# KiCad board MQ Breakout.kicad_pcb
title: Ozone sensor MQ131 breakout; date: 2021-09-13; rev: v1.1.1.; company: SOLDERED; note: 333110
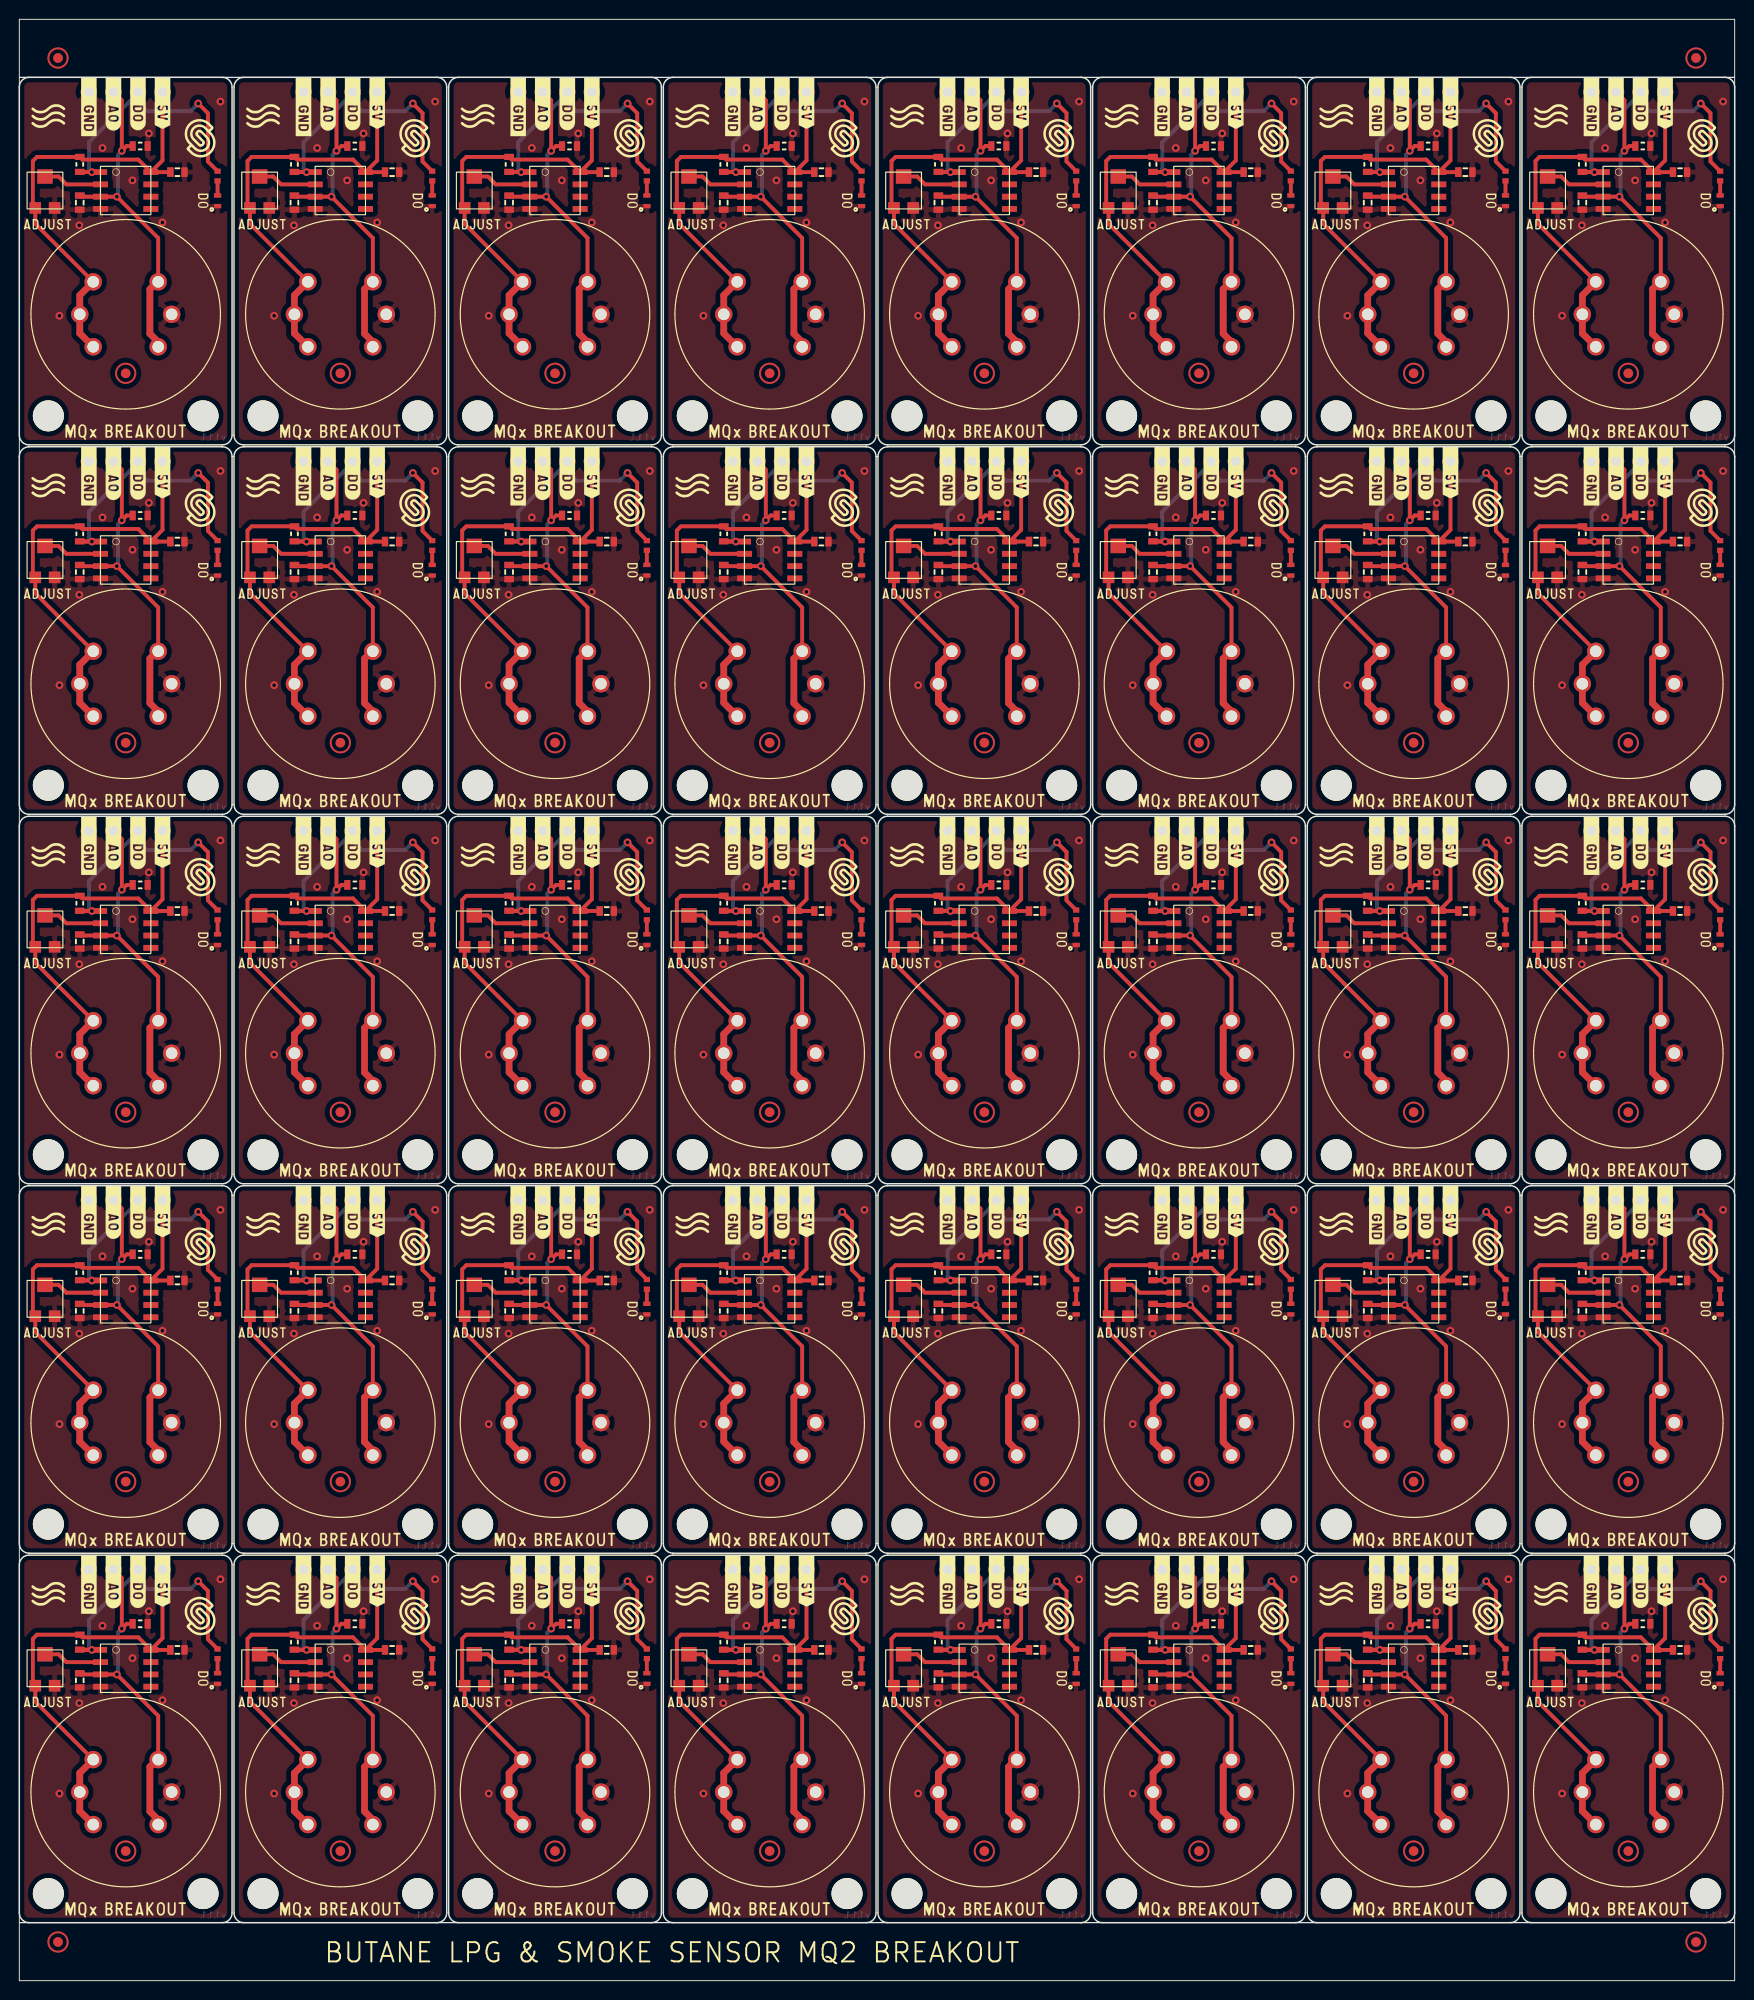
[diagram p0: board, top side]
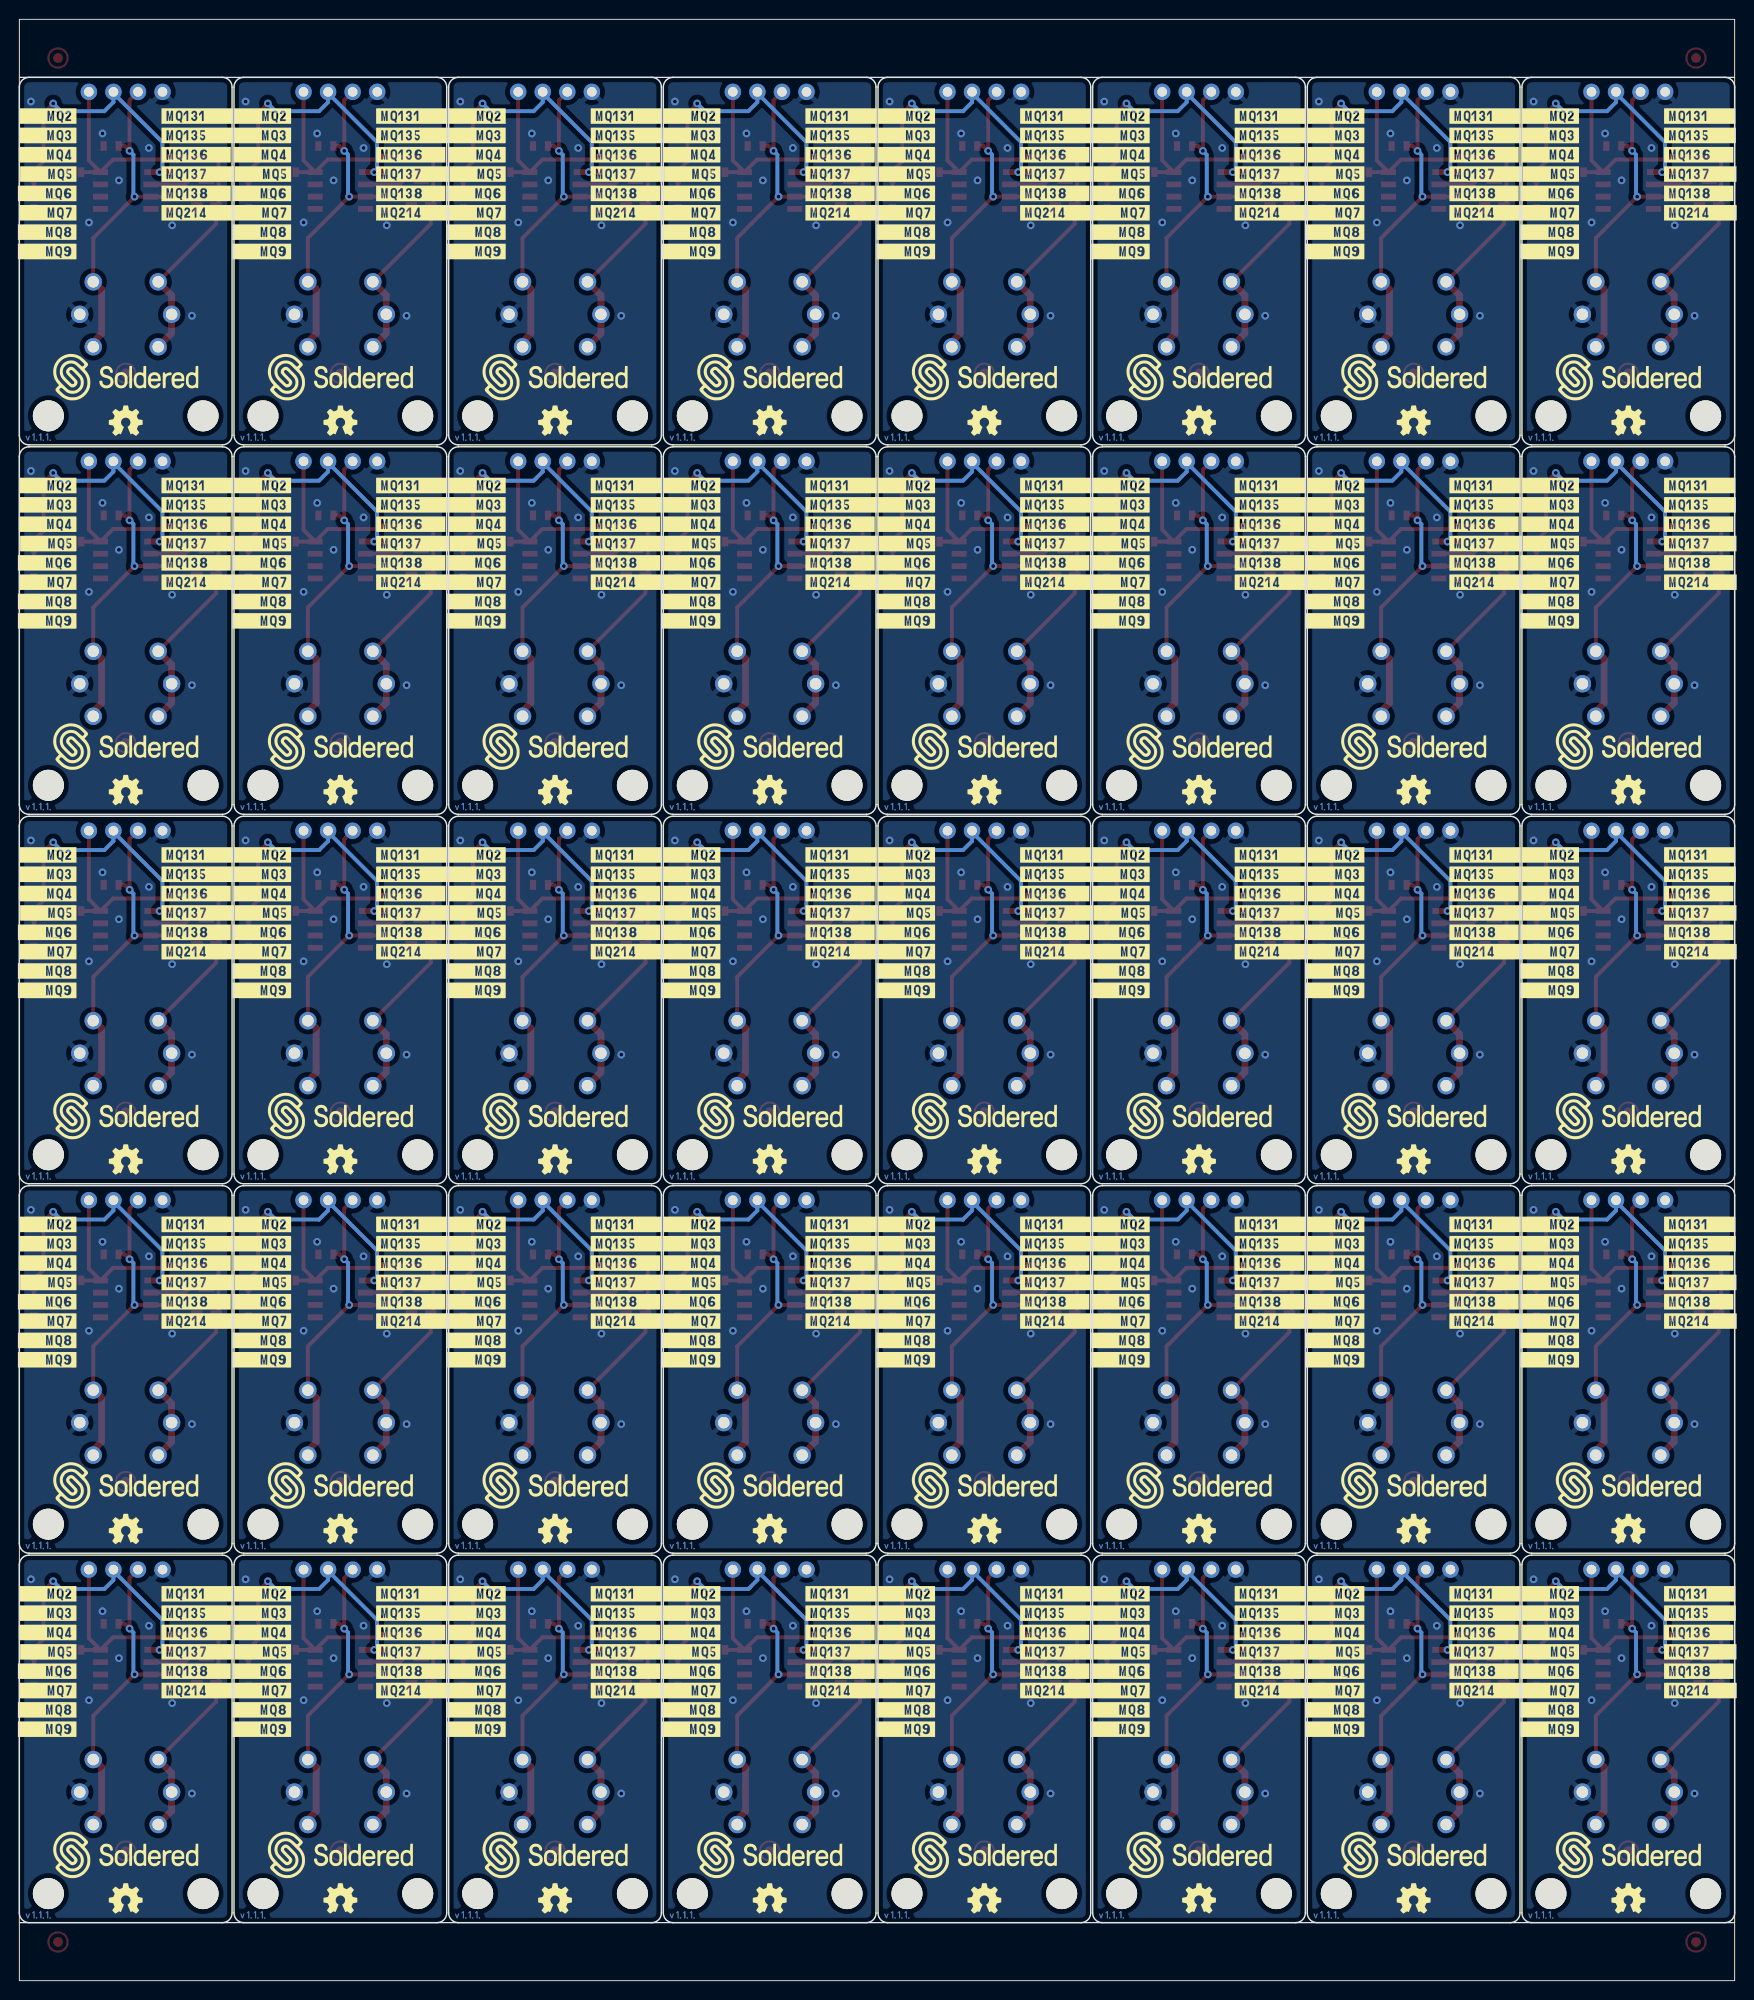
[diagram p1: board, bottom side, seen from below]

Outline 177.4 x 202.8 mm; copper layers: Top, Bottom. Coordinates in mm from the lower left corner of the outline.
Stack: Top 0.035mm / dielectric 1.51mm FR4 er 4.5 / Bottom 0.035mm

## Placement (name value [footprint] x y rotation side)
C1  0.1uF  [0603C]  95.05 107.45 90 top
C1#2  0.1uF  [0603C]  28.45 31.05 90 top
C1#3  0.1uF  [0603C]  161.65 145.65 90 top
C1#4  0.1uF  [0603C]  28.45 107.45 90 top
C1#5  0.1uF  [0603C]  72.85 107.45 90 top
C1#6  0.1uF  [0603C]  161.65 31.05 90 top
C1#7  0.1uF  [0603C]  117.25 69.25 90 top
C1#8  0.1uF  [0603C]  6.25 107.45 90 top
C1#9  0.1uF  [0603C]  50.65 69.25 90 top
C1#10  0.1uF  [0603C]  117.25 31.05 90 top
C1#11  0.1uF  [0603C]  6.25 145.65 90 top
C1#12  0.1uF  [0603C]  6.25 69.25 90 top
C1#13  0.1uF  [0603C]  139.45 107.45 90 top
C1#14  0.1uF  [0603C]  139.45 69.25 90 top
C1#15  0.1uF  [0603C]  139.45 145.65 90 top
C1#16  0.1uF  [0603C]  95.05 183.85 90 top
C1#17  0.1uF  [0603C]  117.25 145.65 90 top
C1#18  0.1uF  [0603C]  139.45 183.85 90 top
C1#19  0.1uF  [0603C]  161.65 69.25 90 top
C1#20  0.1uF  [0603C]  95.05 31.05 90 top
C1#21  0.1uF  [0603C]  6.25 31.05 90 top
C1#22  0.1uF  [0603C]  50.65 31.05 90 top
C1#23  0.1uF  [0603C]  6.25 183.85 90 top
C1#24  0.1uF  [0603C]  72.85 183.85 90 top
C1#25  0.1uF  [0603C]  50.65 107.45 90 top
C1#26  0.1uF  [0603C]  161.65 183.85 90 top
C1#27  0.1uF  [0603C]  72.85 31.05 90 top
C1#28  0.1uF  [0603C]  50.65 183.85 90 top
C1#29  0.1uF  [0603C]  28.45 69.25 90 top
C1#30  0.1uF  [0603C]  28.45 145.65 90 top
C1#31  0.1uF  [0603C]  139.45 31.05 90 top
C1#32  0.1uF  [0603C]  72.85 145.65 90 top
C1#33  0.1uF  [0603C]  95.05 145.65 90 top
C1#34  0.1uF  [0603C]  28.45 183.85 90 top
C1#35  0.1uF  [0603C]  72.85 69.25 90 top
C1#36  0.1uF  [0603C]  50.65 145.65 90 top
C1#37  0.1uF  [0603C]  117.25 107.45 90 top
C1#38  0.1uF  [0603C]  161.65 107.45 90 top
C1#39  0.1uF  [0603C]  95.05 69.25 90 top
C1#40  0.1uF  [0603C]  117.25 183.85 90 top
C2  0.1uF  [0603C]  105.15 187 180 top
C2#2  0.1uF  [0603C]  171.75 72.4 180 top
C2#3  0.1uF  [0603C]  38.55 34.2 180 top
C2#4  0.1uF  [0603C]  16.35 148.8 180 top
C2#5  0.1uF  [0603C]  60.75 72.4 180 top
C2#6  0.1uF  [0603C]  105.15 34.2 180 top
C2#7  0.1uF  [0603C]  149.55 187 180 top
C2#8  0.1uF  [0603C]  105.15 72.4 180 top
C2#9  0.1uF  [0603C]  82.95 110.6 180 top
C2#10  0.1uF  [0603C]  60.75 187 180 top
C2#11  0.1uF  [0603C]  127.35 187 180 top
C2#12  0.1uF  [0603C]  16.35 72.4 180 top
C2#13  0.1uF  [0603C]  82.95 148.8 180 top
C2#14  0.1uF  [0603C]  82.95 34.2 180 top
C2#15  0.1uF  [0603C]  105.15 148.8 180 top
C2#16  0.1uF  [0603C]  38.55 148.8 180 top
C2#17  0.1uF  [0603C]  60.75 148.8 180 top
C2#18  0.1uF  [0603C]  127.35 72.4 180 top
C2#19  0.1uF  [0603C]  38.55 187 180 top
C2#20  0.1uF  [0603C]  171.75 34.2 180 top
C2#21  0.1uF  [0603C]  16.35 187 180 top
C2#22  0.1uF  [0603C]  38.55 72.4 180 top
C2#23  0.1uF  [0603C]  16.35 110.6 180 top
C2#24  0.1uF  [0603C]  171.75 187 180 top
C2#25  0.1uF  [0603C]  105.15 110.6 180 top
C2#26  0.1uF  [0603C]  127.35 34.2 180 top
C2#27  0.1uF  [0603C]  60.75 34.2 180 top
C2#28  0.1uF  [0603C]  149.55 148.8 180 top
C2#29  0.1uF  [0603C]  16.35 34.2 180 top
C2#30  0.1uF  [0603C]  82.95 187 180 top
C2#31  0.1uF  [0603C]  127.35 148.8 180 top
C2#32  0.1uF  [0603C]  171.75 110.6 180 top
C2#33  0.1uF  [0603C]  127.35 110.6 180 top
C2#34  0.1uF  [0603C]  149.55 110.6 180 top
C2#35  0.1uF  [0603C]  171.75 148.8 180 top
C2#36  0.1uF  [0603C]  149.55 34.2 180 top
C2#37  0.1uF  [0603C]  82.95 72.4 180 top
C2#38  0.1uF  [0603C]  60.75 110.6 180 top
C2#39  0.1uF  [0603C]  38.55 110.6 180 top
C2#40  0.1uF  [0603C]  149.55 72.4 180 top
D1  purple  [0402LED]  64.9 31.24 270 top
D1#2  purple  [0402LED]  20.5 107.64 270 top
D1#3  purple  [0402LED]  20.5 31.24 270 top
D1#4  purple  [0402LED]  42.7 184.04 270 top
D1#5  purple  [0402LED]  131.5 145.84 270 top
D1#6  purple  [0402LED]  175.9 184.04 270 top
D1#7  purple  [0402LED]  87.1 184.04 270 top
D1#8  purple  [0402LED]  42.7 69.44 270 top
D1#9  purple  [0402LED]  175.9 145.84 270 top
D1#10  purple  [0402LED]  109.3 31.24 270 top
D1#11  purple  [0402LED]  20.5 145.84 270 top
D1#12  purple  [0402LED]  153.7 31.24 270 top
D1#13  purple  [0402LED]  42.7 31.24 270 top
D1#14  purple  [0402LED]  109.3 184.04 270 top
D1#15  purple  [0402LED]  87.1 145.84 270 top
D1#16  purple  [0402LED]  175.9 31.24 270 top
D1#17  purple  [0402LED]  131.5 184.04 270 top
D1#18  purple  [0402LED]  131.5 107.64 270 top
D1#19  purple  [0402LED]  131.5 31.24 270 top
D1#20  purple  [0402LED]  87.1 69.44 270 top
D1#21  purple  [0402LED]  20.5 69.44 270 top
D1#22  purple  [0402LED]  64.9 69.44 270 top
D1#23  purple  [0402LED]  153.7 145.84 270 top
D1#24  purple  [0402LED]  175.9 107.64 270 top
D1#25  purple  [0402LED]  153.7 107.64 270 top
D1#26  purple  [0402LED]  109.3 69.44 270 top
D1#27  purple  [0402LED]  64.9 145.84 270 top
D1#28  purple  [0402LED]  153.7 69.44 270 top
D1#29  purple  [0402LED]  64.9 107.64 270 top
D1#30  purple  [0402LED]  175.9 69.44 270 top
D1#31  purple  [0402LED]  109.3 107.64 270 top
D1#32  purple  [0402LED]  131.5 69.44 270 top
D1#33  purple  [0402LED]  20.5 184.04 270 top
D1#34  purple  [0402LED]  42.7 145.84 270 top
D1#35  purple  [0402LED]  64.9 184.04 270 top
D1#36  purple  [0402LED]  153.7 184.04 270 top
D1#37  purple  [0402LED]  87.1 107.64 270 top
D1#38  purple  [0402LED]  87.1 31.24 270 top
D1#39  purple  [0402LED]  42.7 107.64 270 top
D1#40  purple  [0402LED]  109.3 145.84 270 top
FD1  FIDUCIAL  [FIDUCIAL_23]  99.8 51.6 0 top
FD1#2  FIDUCIAL  [FIDUCIAL_23]  77.6 51.6 0 top
FD1#3  FIDUCIAL  [FIDUCIAL_23]  99.8 128 0 top
FD1#4  FIDUCIAL  [FIDUCIAL_23]  173.4 4 0 top
FD1#5  FIDUCIAL  [FIDUCIAL_23]  55.4 51.6 0 top
FD1#6  FIDUCIAL  [FIDUCIAL_23]  166.4 128 0 top
FD1#7  FIDUCIAL  [FIDUCIAL_23]  11 13.4 0 top
FD1#8  FIDUCIAL  [FIDUCIAL_23]  122 51.6 0 top
FD1#9  FIDUCIAL  [FIDUCIAL_23]  4 4 0 top
FD1#10  FIDUCIAL  [FIDUCIAL_23]  144.2 128 0 top
FD1#11  FIDUCIAL  [FIDUCIAL_23]  99.8 166.2 0 top
FD1#12  FIDUCIAL  [FIDUCIAL_23]  4 198.8 0 top
FD1#13  FIDUCIAL  [FIDUCIAL_23]  144.2 51.6 0 top
FD1#14  FIDUCIAL  [FIDUCIAL_23]  11 166.2 0 top
FD1#15  FIDUCIAL  [FIDUCIAL_23]  99.8 89.8 0 top
FD1#16  FIDUCIAL  [FIDUCIAL_23]  166.4 166.2 0 top
FD1#17  FIDUCIAL  [FIDUCIAL_23]  122 128 0 top
FD1#18  FIDUCIAL  [FIDUCIAL_23]  99.8 13.4 0 top
FD1#19  FIDUCIAL  [FIDUCIAL_23]  11 89.8 0 top
FD1#20  FIDUCIAL  [FIDUCIAL_23]  166.4 51.6 0 top
FD1#21  FIDUCIAL  [FIDUCIAL_23]  122 89.8 0 top
FD1#22  FIDUCIAL  [FIDUCIAL_23]  166.4 89.8 0 top
FD1#23  FIDUCIAL  [FIDUCIAL_23]  122 166.2 0 top
FD1#24  FIDUCIAL  [FIDUCIAL_23]  33.2 51.6 0 top
FD1#25  FIDUCIAL  [FIDUCIAL_23]  55.4 13.4 0 top
FD1#26  FIDUCIAL  [FIDUCIAL_23]  166.4 13.4 0 top
FD1#27  FIDUCIAL  [FIDUCIAL_23]  33.2 128 0 top
FD1#28  FIDUCIAL  [FIDUCIAL_23]  55.4 89.8 0 top
FD1#29  FIDUCIAL  [FIDUCIAL_23]  77.6 128 0 top
FD1#30  FIDUCIAL  [FIDUCIAL_23]  11 128 0 top
FD1#31  FIDUCIAL  [FIDUCIAL_23]  33.2 166.2 0 top
FD1#32  FIDUCIAL  [FIDUCIAL_23]  33.2 89.8 0 top
FD1#33  FIDUCIAL  [FIDUCIAL_23]  33.2 13.4 0 top
FD1#34  FIDUCIAL  [FIDUCIAL_23]  55.4 166.2 0 top
FD1#35  FIDUCIAL  [FIDUCIAL_23]  77.6 13.4 0 top
FD1#36  FIDUCIAL  [FIDUCIAL_23]  77.6 89.8 0 top
FD1#37  FIDUCIAL  [FIDUCIAL_23]  173.4 198.8 0 top
FD1#38  FIDUCIAL  [FIDUCIAL_23]  144.2 89.8 0 top
FD1#39  FIDUCIAL  [FIDUCIAL_23]  144.2 166.2 0 top
FD1#40  FIDUCIAL  [FIDUCIAL_23]  11 51.6 0 top
FD1#41  FIDUCIAL  [FIDUCIAL_23]  77.6 166.2 0 top
FD1#42  FIDUCIAL  [FIDUCIAL_23]  144.2 13.4 0 top
FD1#43  FIDUCIAL  [FIDUCIAL_23]  122 13.4 0 top
FD1#44  FIDUCIAL  [FIDUCIAL_23]  55.4 128 0 top
G***  LOGO  [Symbol-Front-Air-Quality]  25.2 154.6 0 top
G***#2  LOGO  [Logo-Front-Soldered-4mm]  63.1 114.1 0 top
G***#3  LOGO  [Symbol-Front-Air-Quality]  158.4 78.2 0 top
G***#4  LOGO  [Logo-Back-OSH-3.5mm]  77.6 161.3 0 top
G***#5  LOGO  [Logo-Front-Soldered-4mm]  129.7 37.7 0 top
G***#6  LOGO  [Logo-Front-Soldered-4mm]  63.1 37.7 0 top
G***#7  LOGO  [Symbol-Front-Air-Quality]  69.6 154.6 0 top
G***#8  LOGO  [Logo-Front-Soldered-4mm]  85.3 114.1 0 top
G***#9  LOGO  [Logo-Front-Soldered-4mm]  40.9 152.3 0 top
G***#10  LOGO  [Logo-Front-Soldered-4mm]  174.1 75.9 0 top
G***#11  LOGO  [Logo-Back-OSH-3.5mm]  11 123.1 0 top
G***#12  LOGO  [Symbol-Front-Air-Quality]  47.4 192.8 0 top
G***#13  LOGO  [Logo-Front-Soldered-4mm]  151.9 152.3 0 top
G***#14  LOGO  [Logo-Back-OSH-3.5mm]  166.4 46.7 0 top
G***#15  LOGO  [Logo-Back-OSH-3.5mm]  11 161.3 0 top
G***#16  LOGO  [Logo-Front-Soldered-4mm]  107.5 152.3 0 top
G***#17  LOGO  [Symbol-Front-Air-Quality]  158.4 154.6 0 top
G***#18  LOGO  [Symbol-Front-Air-Quality]  114 192.8 0 top
G***#19  LOGO  [Logo-Front-Soldered-4mm]  40.9 114.1 0 top
G***#20  LOGO  [Symbol-Front-Air-Quality]  69.6 192.8 0 top
G***#21  LOGO  [Symbol-Front-Air-Quality]  91.8 116.4 0 top
G***#22  LOGO  [Logo-Back-OSH-3.5mm]  99.8 8.5 0 top
G***#23  LOGO  [Logo-Back-OSH-3.5mm]  11 84.9 0 top
G***#24  LOGO  [Logo-Back-OSH-3.5mm]  55.4 161.3 0 top
G***#25  LOGO  [Symbol-Front-Air-Quality]  3 154.6 0 top
G***#26  LOGO  [Symbol-Front-Air-Quality]  3 116.4 0 top
G***#27  LOGO  [Logo-Back-OSH-3.5mm]  33.2 8.5 0 top
G***#28  LOGO  [Logo-Front-Soldered-4mm]  174.1 152.3 0 top
G***#29  LOGO  [Logo-Back-OSH-3.5mm]  144.2 161.3 0 top
G***#30  LOGO  [Symbol-Front-Air-Quality]  3 78.2 0 top
G***#31  LOGO  [Logo-Front-Soldered-4mm]  63.1 190.5 0 top
G***#32  LOGO  [Logo-Front-Soldered-4mm]  40.9 37.7 0 top
G***#33  LOGO  [Logo-Back-OSH-3.5mm]  122 8.5 0 top
G***#34  LOGO  [Symbol-Front-Air-Quality]  3 40 0 top
G***#35  LOGO  [Logo-Back-OSH-3.5mm]  77.6 8.5 0 top
G***#36  LOGO  [Logo-Back-OSH-3.5mm]  122 161.3 0 top
G***#37  LOGO  [Logo-Front-Soldered-4mm]  129.7 152.3 0 top
G***#38  LOGO  [Symbol-Front-Air-Quality]  25.2 116.4 0 top
G***#39  LOGO  [Logo-Front-Soldered-4mm]  85.3 152.3 0 top
G***#40  LOGO  [Symbol-Front-Air-Quality]  136.2 116.4 0 top
G***#41  LOGO  [Logo-Front-Soldered-4mm]  129.7 190.5 0 top
G***#42  LOGO  [Logo-Front-Soldered-4mm]  151.9 190.5 0 top
G***#43  LOGO  [Logo-Front-Soldered-4mm]  85.3 37.7 0 top
G***#44  LOGO  [Symbol-Front-Air-Quality]  3 192.8 0 top
G***#45  LOGO  [Symbol-Front-Air-Quality]  136.2 78.2 0 top
G***#46  LOGO  [Logo-Front-Soldered-4mm]  129.7 114.1 0 top
G***#47  LOGO  [Logo-Back-OSH-3.5mm]  166.4 84.9 0 top
G***#48  LOGO  [Symbol-Front-Air-Quality]  69.6 116.4 0 top
G***#49  LOGO  [Logo-Front-Soldered-4mm]  174.1 114.1 0 top
G***#50  LOGO  [Logo-Back-OSH-3.5mm]  166.4 161.3 0 top
G***#51  LOGO  [Logo-Back-OSH-3.5mm]  122 84.9 0 top
G***#52  LOGO  [Symbol-Front-Air-Quality]  114 40 0 top
G***#53  LOGO  [Logo-Back-OSH-3.5mm]  11 8.5 0 top
G***#54  LOGO  [Logo-Front-Soldered-4mm]  151.9 37.7 0 top
G***#55  LOGO  [Symbol-Front-Air-Quality]  47.4 78.2 0 top
G***#56  LOGO  [Logo-Front-Soldered-4mm]  129.7 75.9 0 top
G***#57  LOGO  [Logo-Front-Soldered-4mm]  151.9 114.1 0 top
G***#58  LOGO  [Symbol-Front-Air-Quality]  114 78.2 0 top
G***#59  LOGO  [Logo-Back-OSH-3.5mm]  33.2 161.3 0 top
G***#60  LOGO  [Logo-Front-Soldered-4mm]  40.9 75.9 0 top
G***#61  LOGO  [Symbol-Front-Air-Quality]  158.4 192.8 0 top
G***#62  LOGO  [Logo-Back-OSH-3.5mm]  33.2 46.7 0 top
G***#63  LOGO  [Logo-Front-Soldered-4mm]  40.9 190.5 0 top
G***#64  LOGO  [Logo-Back-OSH-3.5mm]  55.4 123.1 0 top
G***#65  LOGO  [Symbol-Front-Air-Quality]  47.4 116.4 0 top
G***#66  LOGO  [Logo-Back-OSH-3.5mm]  122 123.1 0 top
G***#67  LOGO  [Symbol-Front-Air-Quality]  91.8 154.6 0 top
G***#68  LOGO  [Logo-Back-OSH-3.5mm]  144.2 46.7 0 top
G***#69  LOGO  [Symbol-Front-Air-Quality]  25.2 78.2 0 top
G***#70  LOGO  [Logo-Front-Soldered-4mm]  18.7 75.9 0 top
G***#71  LOGO  [Logo-Back-OSH-3.5mm]  33.2 84.9 0 top
G***#72  LOGO  [Symbol-Front-Air-Quality]  91.8 78.2 0 top
G***#73  LOGO  [Logo-Front-Soldered-4mm]  63.1 75.9 0 top
G***#74  LOGO  [Logo-Front-Soldered-4mm]  107.5 190.5 0 top
G***#75  LOGO  [Logo-Back-OSH-3.5mm]  77.6 123.1 0 top
G***#76  LOGO  [Logo-Back-OSH-3.5mm]  77.6 46.7 0 top
G***#77  LOGO  [Symbol-Front-Air-Quality]  69.6 40 0 top
G***#78  LOGO  [Logo-Back-OSH-3.5mm]  166.4 123.1 0 top
G***#79  LOGO  [Symbol-Front-Air-Quality]  91.8 192.8 0 top
G***#80  LOGO  [Logo-Back-OSH-3.5mm]  144.2 123.1 0 top
G***#81  LOGO  [Logo-Front-Soldered-4mm]  18.7 114.1 0 top
G***#82  LOGO  [Logo-Back-OSH-3.5mm]  122 46.7 0 top
G***#83  LOGO  [Logo-Front-Soldered-4mm]  107.5 37.7 0 top
G***#84  LOGO  [Logo-Front-Soldered-4mm]  107.5 114.1 0 top
G***#85  LOGO  [Logo-Back-OSH-3.5mm]  166.4 8.5 0 top
G***#86  LOGO  [Logo-Front-Soldered-4mm]  18.7 152.3 0 top
G***#87  LOGO  [Logo-Back-OSH-3.5mm]  77.6 84.9 0 top
G***#88  LOGO  [Symbol-Front-Air-Quality]  25.2 40 0 top
G***#89  LOGO  [Symbol-Front-Air-Quality]  136.2 40 0 top
G***#90  LOGO  [Logo-Front-Soldered-4mm]  174.1 37.7 0 top
G***#91  LOGO  [Logo-Front-Soldered-4mm]  18.7 190.5 0 top
G***#92  LOGO  [Symbol-Front-Air-Quality]  114 116.4 0 top
G***#93  LOGO  [Symbol-Front-Air-Quality]  136.2 192.8 0 top
G***#94  LOGO  [Logo-Front-Soldered-4mm]  151.9 75.9 0 top
G***#95  LOGO  [Logo-Back-OSH-3.5mm]  55.4 46.7 0 top
G***#96  LOGO  [Logo-Front-Soldered-4mm]  18.7 37.7 0 top
G***#97  LOGO  [Logo-Back-OSH-3.5mm]  99.8 84.9 0 top
G***#98  LOGO  [Logo-Front-Soldered-4mm]  85.3 190.5 0 top
G***#99  LOGO  [Symbol-Front-Air-Quality]  158.4 116.4 0 top
G***#100  LOGO  [Logo-Back-OSH-3.5mm]  55.4 84.9 0 top
G***#101  LOGO  [Logo-Back-OSH-3.5mm]  144.2 8.5 0 top
G***#102  LOGO  [Symbol-Front-Air-Quality]  69.6 78.2 0 top
G***#103  LOGO  [Logo-Back-OSH-3.5mm]  11 46.7 0 top
G***#104  LOGO  [Symbol-Front-Air-Quality]  136.2 154.6 0 top
G***#105  LOGO  [Logo-Back-OSH-3.5mm]  99.8 123.1 0 top
G***#106  LOGO  [Logo-Back-OSH-3.5mm]  144.2 84.9 0 top
G***#107  LOGO  [Logo-Front-Soldered-4mm]  174.1 190.5 0 top
G***#108  LOGO  [Logo-Back-OSH-3.5mm]  99.8 46.7 0 top
G***#109  LOGO  [Logo-Back-OSH-3.5mm]  99.8 161.3 0 top
G***#110  LOGO  [Logo-Back-OSH-3.5mm]  55.4 8.5 0 top
G***#111  LOGO  [Logo-Back-OSH-3.5mm]  33.2 123.1 0 top
G***#112  LOGO  [Symbol-Front-Air-Quality]  114 154.6 0 top
G***#113  LOGO  [Logo-Front-Soldered-4mm]  85.3 75.9 0 top
G***#114  LOGO  [Symbol-Front-Air-Quality]  47.4 40 0 top
G***#115  LOGO  [Symbol-Front-Air-Quality]  91.8 40 0 top
G***#116  LOGO  [Symbol-Front-Air-Quality]  25.2 192.8 0 top
G***#117  LOGO  [Logo-Front-Soldered-4mm]  107.5 75.9 0 top
G***#118  LOGO  [Symbol-Front-Air-Quality]  47.4 154.6 0 top
G***#119  LOGO  [Logo-Front-Soldered-4mm]  63.1 152.3 0 top
G***#120  LOGO  [Symbol-Front-Air-Quality]  158.4 40 0 top
H1  -  [HOLE_3.2mm]  174.4 123.6 0 top
H1#2  -  [HOLE_3.2mm]  174.4 85.4 0 top
H1#3  -  [HOLE_3.2mm]  19 161.8 0 top
H1#4  -  [HOLE_3.2mm]  63.4 123.6 0 top
H1#5  -  [HOLE_3.2mm]  152.2 9 0 top
H1#6  -  [HOLE_3.2mm]  152.2 85.4 0 top
H1#7  -  [HOLE_3.2mm]  41.2 9 0 top
H1#8  -  [HOLE_3.2mm]  130 85.4 0 top
H1#9  -  [HOLE_3.2mm]  41.2 123.6 0 top
H1#10  -  [HOLE_3.2mm]  85.6 85.4 0 top
H1#11  -  [HOLE_3.2mm]  130 123.6 0 top
H1#12  -  [HOLE_3.2mm]  85.6 9 0 top
H1#13  -  [HOLE_3.2mm]  174.4 9 0 top
H1#14  -  [HOLE_3.2mm]  174.4 161.8 0 top
H1#15  -  [HOLE_3.2mm]  130 47.2 0 top
H1#16  -  [HOLE_3.2mm]  85.6 123.6 0 top
H1#17  -  [HOLE_3.2mm]  19 85.4 0 top
H1#18  -  [HOLE_3.2mm]  63.4 47.2 0 top
H1#19  -  [HOLE_3.2mm]  152.2 123.6 0 top
H1#20  -  [HOLE_3.2mm]  107.8 123.6 0 top
H1#21  -  [HOLE_3.2mm]  85.6 47.2 0 top
H1#22  -  [HOLE_3.2mm]  41.2 47.2 0 top
H1#23  -  [HOLE_3.2mm]  41.2 161.8 0 top
H1#24  -  [HOLE_3.2mm]  107.8 47.2 0 top
H1#25  -  [HOLE_3.2mm]  19 47.2 0 top
H1#26  -  [HOLE_3.2mm]  107.8 85.4 0 top
H1#27  -  [HOLE_3.2mm]  41.2 85.4 0 top
H1#28  -  [HOLE_3.2mm]  130 9 0 top
H1#29  -  [HOLE_3.2mm]  152.2 47.2 0 top
H1#30  -  [HOLE_3.2mm]  152.2 161.8 0 top
H1#31  -  [HOLE_3.2mm]  174.4 47.2 0 top
H1#32  -  [HOLE_3.2mm]  19 9 0 top
H1#33  -  [HOLE_3.2mm]  63.4 161.8 0 top
H1#34  -  [HOLE_3.2mm]  63.4 85.4 0 top
H1#35  -  [HOLE_3.2mm]  63.4 9 0 top
H1#36  -  [HOLE_3.2mm]  85.6 161.8 0 top
H1#37  -  [HOLE_3.2mm]  107.8 9 0 top
H1#38  -  [HOLE_3.2mm]  130 161.8 0 top
H1#39  -  [HOLE_3.2mm]  107.8 161.8 0 top
H1#40  -  [HOLE_3.2mm]  19 123.6 0 top
H2  -  [HOLE_3.2mm]  25.2 47.2 0 top
H2#2  -  [HOLE_3.2mm]  91.8 161.8 0 top
H2#3  -  [HOLE_3.2mm]  69.6 9 0 top
H2#4  -  [HOLE_3.2mm]  25.2 85.4 0 top
H2#5  -  [HOLE_3.2mm]  91.8 9 0 top
H2#6  -  [HOLE_3.2mm]  136.2 85.4 0 top
H2#7  -  [HOLE_3.2mm]  114 123.6 0 top
H2#8  -  [HOLE_3.2mm]  69.6 85.4 0 top
H2#9  -  [HOLE_3.2mm]  25.2 161.8 0 top
H2#10  -  [HOLE_3.2mm]  47.4 161.8 0 top
H2#11  -  [HOLE_3.2mm]  3 47.2 0 top
H2#12  -  [HOLE_3.2mm]  69.6 123.6 0 top
H2#13  -  [HOLE_3.2mm]  47.4 9 0 top
H2#14  -  [HOLE_3.2mm]  3 123.6 0 top
H2#15  -  [HOLE_3.2mm]  69.6 161.8 0 top
H2#16  -  [HOLE_3.2mm]  136.2 47.2 0 top
H2#17  -  [HOLE_3.2mm]  136.2 9 0 top
H2#18  -  [HOLE_3.2mm]  3 85.4 0 top
H2#19  -  [HOLE_3.2mm]  158.4 161.8 0 top
H2#20  -  [HOLE_3.2mm]  158.4 85.4 0 top
H2#21  -  [HOLE_3.2mm]  136.2 123.6 0 top
H2#22  -  [HOLE_3.2mm]  3 9 0 top
H2#23  -  [HOLE_3.2mm]  91.8 123.6 0 top
H2#24  -  [HOLE_3.2mm]  69.6 47.2 0 top
H2#25  -  [HOLE_3.2mm]  47.4 85.4 0 top
H2#26  -  [HOLE_3.2mm]  25.2 123.6 0 top
H2#27  -  [HOLE_3.2mm]  158.4 123.6 0 top
H2#28  -  [HOLE_3.2mm]  91.8 47.2 0 top
H2#29  -  [HOLE_3.2mm]  136.2 161.8 0 top
H2#30  -  [HOLE_3.2mm]  47.4 47.2 0 top
H2#31  -  [HOLE_3.2mm]  47.4 123.6 0 top
H2#32  -  [HOLE_3.2mm]  158.4 47.2 0 top
H2#33  -  [HOLE_3.2mm]  114 9 0 top
H2#34  -  [HOLE_3.2mm]  91.8 85.4 0 top
H2#35  -  [HOLE_3.2mm]  25.2 9 0 top
H2#36  -  [HOLE_3.2mm]  114 85.4 0 top
H2#37  -  [HOLE_3.2mm]  114 161.8 0 top
H2#38  -  [HOLE_3.2mm]  158.4 9 0 top
H2#39  -  [HOLE_3.2mm]  3 161.8 0 top
H2#40  -  [HOLE_3.2mm]  114 47.2 0 top
K1  -  [HEADER_MALE_4X1]  11 157.1 0 bottom
K1#2  -  [HEADER_MALE_4X1]  166.4 80.7 0 bottom
K1#3  -  [HEADER_MALE_4X1]  55.4 195.3 0 bottom
K1#4  -  [HEADER_MALE_4X1]  144.2 118.9 0 bottom
K1#5  -  [HEADER_MALE_4X1]  55.4 157.1 0 bottom
K1#6  -  [HEADER_MALE_4X1]  144.2 42.5 0 bottom
K1#7  -  [HEADER_MALE_4X1]  33.2 195.3 0 bottom
K1#8  -  [HEADER_MALE_4X1]  99.8 80.7 0 bottom